# KiCad board OpenMowerMainboard.kicad_pcb (continued)
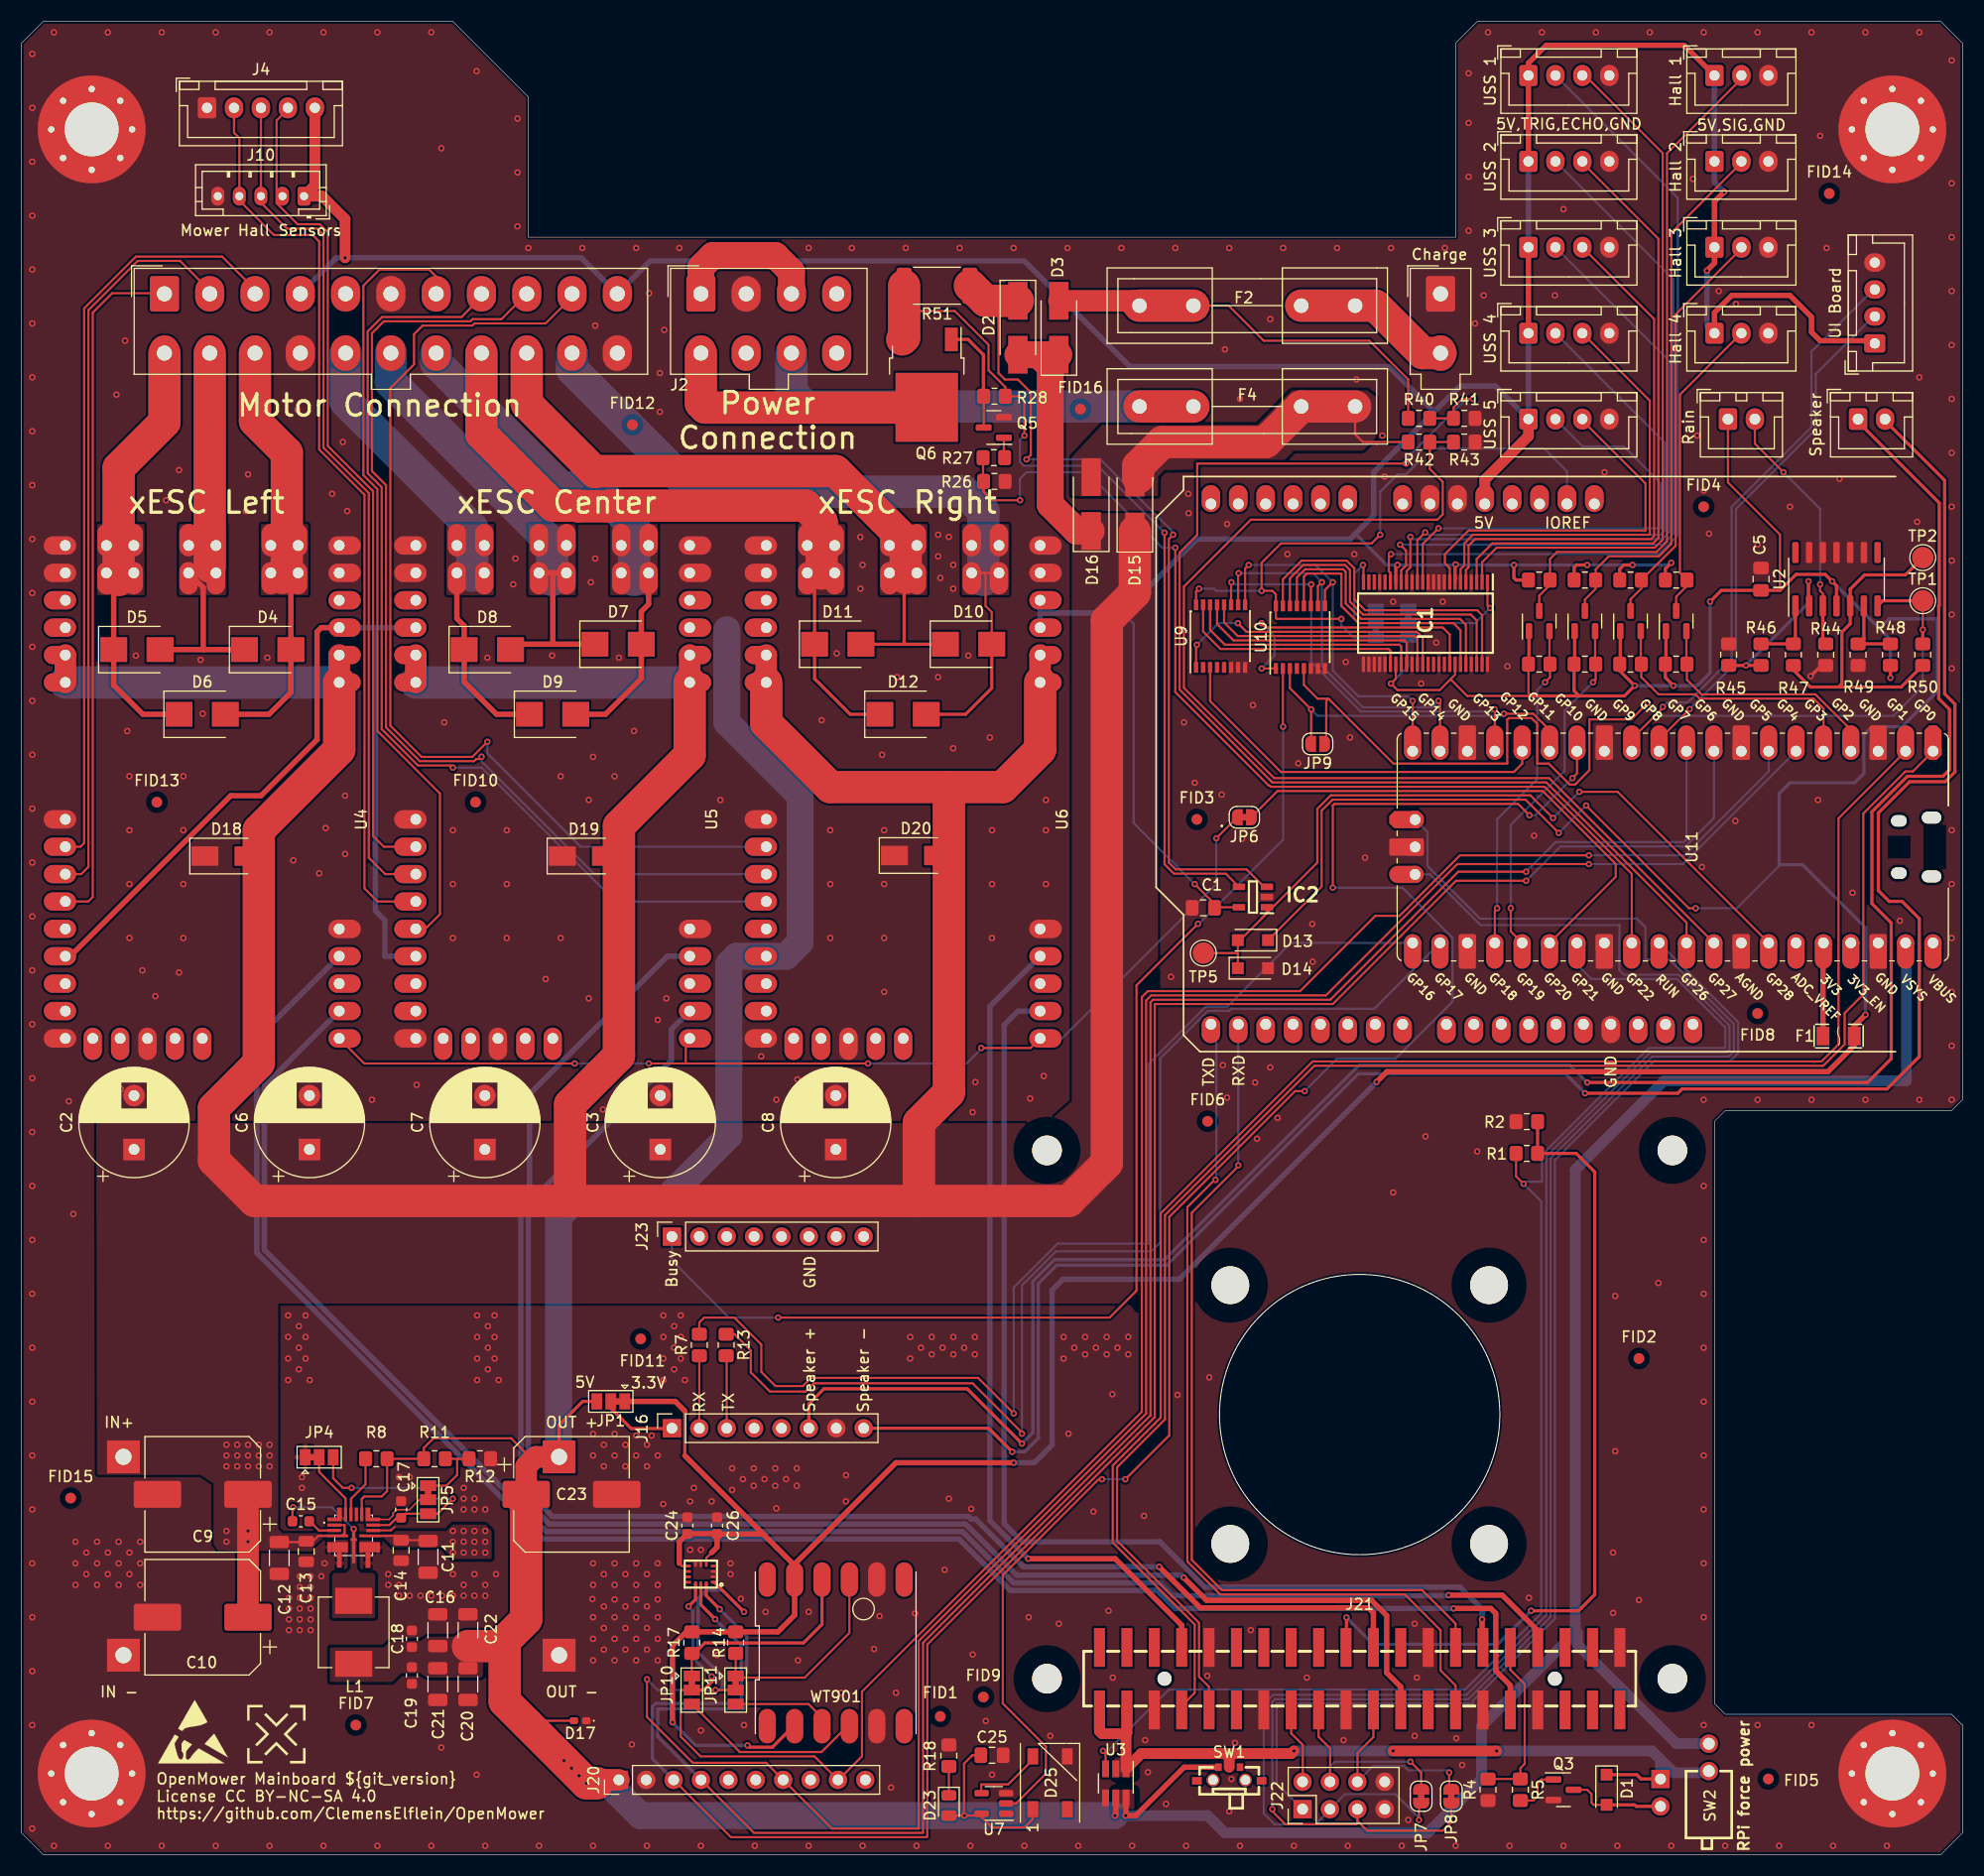
[diagram p0: board, top side]
## Routing (per net, layer and track width the routed paths; a pad name or vN(x,y) marks a point on that pad's centre or on a via; arc(x,y) is an arc through that point) (continued)
/CHARGE_CURRENT: length 72.3
  Top w0.2: IC2.1 115.5,87.3 113,84.8 ; 114.95,86.78 120.17,92 120.17,96.99 121.42,98.23 139.93,98.23 v1(142.03,96.13) ; v1(144.47,98.56) 148.02,98.56 162.03,84.55 ; 112.8,83.6 D13.2 ; 112.8,83.6 D14.1 ; 112.8,83.6 TP5.1
  Bottom w0.2: v1(144.47,98.56) v1(142.03,96.13)
/ESCs/ESC_SHUTDOWN: length 47.5
  Top w0.2: JP6.1 116.48,98.63 141.08,98.63 147.84,91.87 147.84,90.67 141.72,84.55
/ESCs/MC_HALL_U: length 84.8
  Top w0.2: J4.2 19.7,159.7 20.2,159.2 20.2,153.4 23.4,150.2 27,150.2 27.6,149.6 27.6,130.31 31.8,126.1 31.8,89.6 33.02,88.39 U5.4
/ESCs/MC_HALL_V: length 80.3
  Top w0.2: J4.3 22.2,153.2 24.6,150.8 27.4,150.8 28,150.2 28,130.47 32.2,126.27 32.2,92.45 33.73,90.92 U5.5
/ESCs/MC_HALL_W: length 77.1
  Top w0.2: U5.6 33.6,93.47 32.6,94.46 32.6,126.43 28.4,130.64 28.4,150.47 27.67,151.2 25.6,151.2 23.65,153.15 23.65,160.82 24.7,161.88
/ESCs/MC_PHASE_U: length 48
  Top w0.5: D9.2 54.15,105.75 57.47,109.08 D7.2 57.47,115.28 58.15,115.95 U5.U
  Bottom w3: J1.18 38.45,138.35 50,126.8 53.2,126.8 56.8,123.2 56.8,118.2
/ESCs/MC_PHASE_V: length 43.8
  Top w0.5: 49.27,118.86 49.27,112.33 49.35,112.25 ; 49.27,118.86 U5.V ; 49.27,118.86 U5.V ; D7.1 49.35,112.25 ; 49.35,112.25 45.84,112.25
  Bottom w3: 49.2,118.2 49.2,121.6 34.25,136.55 J1.17
/ESCs/MC_PHASE_W: length 43.2
  Top w0.5: U5.W 40.37,114.63 41.05,113.95 D8.1 41.05,108.75 44.05,105.75 D9.1
  Bottom w3: J1.16 30.05,134.75 41.8,123 41.8,118.6
/ESCs/MC_RX: length 151.5
  Top w0.5: 127.91,13.78 127.91,15.55 126.6,16.86 126.6,22.16 125.2,23.57 109.9,23.57 v1(107.78,25.68)
  Bottom w0.5: U5.14 59.9,83.31 47.1,70.51 47.1,61.48 46.3,60.68 46.3,33.29 47.1,32.49 48.94,30.65 87.53,30.65 87.78,30.4 87.8,30.4 92.31,25.89 107.58,25.89 v1(107.78,25.68)
/ESCs/MC_TEMP: length 72.4
  Top w0.2: J1.7 38.45,146.35 37.8,147 33.2,147 31.7,145.5 31.7,127.94 33,126.64 33,104.2 38.8,98.4 38.8,87.2 37.45,85.84
/ESCs/MC_TX: length 136.4
  Top w0.5: 125.37,19.82 125.37,22.41 124.91,22.87 109.32,22.87 v1(105.51,26.68)
  Bottom w0.5: U5.12 60.26,76.53 60.26,73.66 47,60.39 47,33.58 49.23,31.35 87.82,31.35 88.07,31.1 88.49,31.1 92.91,26.68 v1(105.51,26.68)
/ESCs/ML_HALL_U: length 64.3
  Top w0.2: 13.2,144.8 8.4,144.8 6.6,143 6.6,88.8 6.18,88.39 U4.4
/ESCs/ML_HALL_V: length 68.3
  Top w0.2: 17.45,145.05 14.7,147.8 10.77,147.8 6.2,143.23 6.2,91.6 5.52,90.92 U4.5
/ESCs/ML_HALL_W: length 70.6
  Top w0.2: 21.65,145.15 18.6,148.2 10.6,148.2 5.8,143.4 5.8,93.8 5.46,93.47 U4.6
/ESCs/ML_PHASE_U: length 40.5
  Top w0.5: D6.2 22.95,105.75 24.98,107.78 D4.2 24.98,118.19 U4.U
  Top w3: J1.14 21.65,132.95 24.6,130 24.6,118.8 24.2,118.4
/ESCs/ML_PHASE_V: length 35.3
  Top w0.5: 16.85,111.75 16.85,117.5 U4.V ; 16.85,111.75 D5.2 ; 16.85,111.75 D4.1
  Top w3: J1.13 17.45,119.44
/ESCs/ML_PHASE_W: length 40.7
  Top w0.5: U4.W 8.55,118.19 D5.1 8.55,108.45 11.25,105.75 D6.1
  Top w3: 9,118.2 9,128.6 13.25,132.85 J1.12
/ESCs/ML_RX: length 168.6
  Top w0.5: v1(132.81,22.82) 136.26,22.82 136.72,22.36 136.72,17.03 138.07,15.67 138.07,13.78
  Bottom w0.5: U4.14 21.82,75.67 21.82,55.79 48.36,29.25 86.95,29.25 91.71,24.49 105.31,24.49 106.98,22.82 v1(132.81,22.82)
/ESCs/ML_TX: length 158.7
  Top w0.5: 140.61,19.82 140.61,20.75 137.31,24.05 v1(132.35,24.05)
  Bottom w0.5: U4.12 22.52,71.28 22.52,56.08 48.65,29.95 87.24,29.95 87.49,29.7 87.5,29.7 92.01,25.19 105.6,25.19 106.79,24 132.3,24 v1(132.35,24.05)
/ESCs/MR_HALL_U: length 91.6
  Top w0.2: v1(40,100.8) 39.8,101 36.76,101 33.4,104.36 33.4,126.8 32.1,128.1 32.1,141.26 33.43,142.6 40.8,142.6 42.65,144.45
  Bottom w0.2: v1(40,100.8) 42.67,100.8 55.09,88.39 U6.4
/ESCs/MR_HALL_V: length 94.5
  Top w0.2: v1(42.66,101.81) 42.45,101.6 42.17,101.6 41.97,101.4 36.93,101.4 33.8,104.53 33.8,127 32.5,128.3 32.5,141.1 33.6,142.2 41.64,142.2 41.83,142.4 44.5,142.4 J1.9
  Bottom w0.2: U6.5 53.11,90.92 42.66,101.37 v1(42.66,101.81)
/ESCs/MR_HALL_W: length 94.6
  Top w0.2: v1(43.2,103.2) 41.8,101.8 37.09,101.8 34.2,104.69 34.2,136 36.4,138.2 36.4,141 37.2,141.8 41.8,141.8 42,142 48.6,142 51.05,144.45
  Bottom w0.2: U6.6 51.86,93.47 43.2,102.12 v1(43.2,103.2)
/ESCs/MR_PHASE_U: length 73.3
  Top w0.2: D10.2 89.97,115.22 89.4,115.8 89.4,118.8 89.33,118.86 U6.U U6.U
  Top w0.3: D12.2 87.55,105.75 89.97,108.17 D10.2
  Bottom w3: 89.2,118.2 89.2,124.6 87.4,126.4 62.4,126.4 51.05,137.75 J1.21
/ESCs/MR_PHASE_V: length 62.6
  Top w0.3: 81.85,112.25 81.85,118.25 82,118.4 ; 81.85,112.25 D10.1 ; 81.85,112.25 D11.2
  Top w3: 82,118.4 82,121.8 75.5,128.3 53.23,128.3 53.16,128.24 46.85,134.55 J1.20
/ESCs/MR_PHASE_W: length 63.8
  Top w0.3: 73.55,118.19 D11.1 73.55,109.06 76.85,105.75 D12.1
  Top w3: J1.19 42.65,131.75 49.3,125.1 51.59,125.1 51.65,125.04 54.49,125.04 54.55,125.1 72.7,125.1 74.2,123.6 74.2,118.8
/ESCs/MR_RX: length 77.5
  Top w0.5: v1(93.37,27.43) 101.42,27.43 107.59,21.26 107.59,19.82
  Bottom w0.5: v1(93.37,27.43) 93.34,27.43 89.8,30.97 89.8,78.64 U6.14
/ESCs/MR_TX: length 100.3
  Top w0.5: v1(135.45,21.8) 135.45,20.15
  Bottom w0.5: U6.12 92.42,78.22 91.12,76.92 91.12,30.68 92.8,29 105.57,29 109.77,24.8 133.4,24.8 135.45,22.75 135.45,21.85
/GPS/RXD: length 81
  Top w0.2: 132.99,18.82 132.99,21.41 129.88,24.52 111.33,24.52 108.52,27.32 108.52,59.51 112.84,63.83 v1(112.84,63.91)
  Bottom w0.2: XA1.D1 112.84,63.92 v1(112.84,63.91)
/GPS/TXD: length 84.2
  Top w0.2: 132.99,13.78 132.99,15.67 131.6,17.06 131.6,20.8 128.28,24.12 111.16,24.12 108.12,27.16 108.12,60.04 110.64,62.56 v1(110.73,62.56)
  Bottom w0.2: v1(110.73,62.56) 110.81,62.65 110.81,76.49
/IMU/MISO: length 216.3
  Top w0.2: v1(145.35,91.85) 133.15,91.85 120.97,79.67 104.76,79.67 104.3,79.21 104.3,40.89 83.2,19.8 83.2,2.4 75.15,2.4 J20.7 69.05,8.5 62.25,8.5 58,12.75 v1(58,16.25) ; JP11.2 v1(64.36,15.25)
  Top w0.3: v1(67,22.5) 64.25,25.25 AC1201.1
  Bottom w0.2: v1(64.36,15.25) 59,15.25 v1(58,16.25) ; U11.6 154.09,91.85 v1(145.35,91.85)
  Bottom w0.3: v1(67,22.5) 65,24.5 63.5,24.5 62.75,23.75 62.75,18.75 65,16.5 65,15.5 64.75,15.25 v1(64.36,15.25)
/IMU/MOSI: length 202
  Top w0.2: J20.4 67.93,2 83.6,2 83.6,19.63 104.7,40.73 104.7,79.04 104.93,79.27 121.37,79.27 133.24,91.15 v1(139.53,91.15)
  Top w0.3: v1(64.75,22.75) 63.5,24 AC1201.14
  Bottom w0.2: v1(139.53,91.15) 142.28,93.89 154.15,93.89 154.41,94.16 154.41,102.33
  Bottom w0.3: J20.4 59,10.93 59,13.5 66.96,13.5 67.25,13.79 67.25,20.25 v1(64.75,22.75)
/IMU/SCK: length 205.5
  Top w0.2: J20.3 65.79,1.6 83.93,1.6 84,1.67 84,19.47 105.09,40.56 105.09,78.88 121.6,78.88 133.03,90.31 v1(139.54,90.31)
  Top w0.3: AC1201.13 63,23.15 v1(64.32,21.82)
  Bottom w0.2: 156.96,102.33 156.96,96.13 154.32,93.5 142.73,93.5 v1(139.54,90.31)
  Bottom w0.3: v1(64.32,21.82) 66.75,19.4 66.75,14 58.79,14 58.5,13.71 58.5,8.89 J20.3
/IMU/~{CS}: length 186.9
  Top w0.2: J20.9 73.53,9.1 62.96,9.1 61.13,10.93 61.13,13.17 ; 61.11,13.15 61.11,15.15 61.21,15.25 JP10.2 ; v1(145.35,92.67) 133.4,92.67 127.79,87.06 125.55,87.06 118.57,80.07 104.46,80.07 103.9,79.51 103.9,41.06 77.94,15.11 77.94,9.1 75.76,6.92
  Top w0.3: v1(61.85,23) 62.5,23.65 AC1201.12 ; JP10.2 63.25,15.25 64,16 v1(64,16.5)
  Bottom w0.2: v1(145.35,92.67) 154.24,92.67 162.03,100.45 U11.7
  Bottom w0.3: v1(61.85,23) 62.25,22.6 62.25,18.25 v1(64,16.5)
/pico/MUX_ADDRESS_0: length 41.7
  Top w0.2: U10.11 119.57,117.78 v1(119.6,117.8) ; 136.63,102.33 136.63,106.18 v1(136.6,106.22) ; v1(112.2,118) 112.18,117.97 112.18,115.9
  Bottom w0.2: v1(112.2,118) 112.4,117.8 v1(119.6,117.8) 119.6,110.6 124.2,106 136.39,106 v1(136.6,106.22)
/pico/MUX_ADDRESS_1: length 38.5
  Top w0.2: U9.10 112.82,118.79 v1(112.88,118.84) ; U10.10 120.22,117.62 v1(120.6,118) ; v1(131.4,107) 131.56,106.85 131.56,102.33
  Bottom w0.2: v1(131.4,107) 130.8,106.4 124.4,106.4 120.6,110.2 v1(120.6,118) 119.76,118.84 v1(112.88,118.84)
/pico/MUX_ADDRESS_2: length 36.2
  Top w0.2: v1(121.6,118) 120.88,117.28 U10.9 ; v1(129,107) 129.01,106.99 129.01,102.33 ; v1(113.8,119.6) 113.47,119.28 U9.9
  Bottom w0.2: v1(129,107) 128.59,107.41 123.99,107.41 121.6,109.8 v1(121.6,118) 120,119.6 v1(113.8,119.6)
/pico/MUX_INPUT: length 30.8
  Top w0.2: 141.72,104.28 140.2,105.8 v1(137.48,105.8) ; U10.3 117.62,108.17 v1(119.6,106.2) 119.6,103.05
  Bottom w0.2: v1(119.6,106.2) 120.2,105.6 137.28,105.6 v1(137.48,105.8)
/pico/MUX_OUTPUT: length 36.3
  Top w0.2: 139.18,102.33 139.18,101.17 138.4,100.4 116.8,100.4 110.22,106.97 U9.3
/pico/SOUND_BUSY: length 111.9
  Top w0.2: v1(70.17,49.79) 100.9,49.79 103.4,52.29 103.4,80.61 v1(109.1,86.31) ; v1(117,104.6) 116.97,104.62 U10.2
  Bottom w0.2: v1(117,104.6) 117,94.13 109.18,86.31 v1(109.1,86.31) ; v1(70.17,49.79) 65.6,49.79 60.31,55.08 J23.1
/pico/SOUND_RX: length 108.8
  Top w0.2: R13.1 66.12,48.25 67.63,46.74 67.63,44.71 69.41,42.93 72.71,42.93 73.47,43.7 88.2,43.7 92.78,39.12 v1(92.78,39.03)
  Bottom w0.2: v1(92.78,39.03) 92.78,52.78 95.93,55.94 104.76,55.94 105.6,56.77 105.6,73.83 110.01,78.24 111.98,78.24 112.19,78.45 125.46,78.45 131.56,84.55
/pico/SOUND_TX: length 107.9
  Top w0.2: v1(92.01,40.9) 88.71,44.2 73.22,44.2 72.46,43.44 69.92,43.44 68.6,44.76 68.6,47.3 66.11,49.79 63.31,49.79 62.85,49.33 R7.2
  Bottom w0.2: 129.01,84.55 117.72,84.55 111.82,78.64 109.84,78.64 104.51,73.31 104.51,56.65 ; 104.51,56.65 96.08,56.65 92.01,52.59 v1(92.01,40.9)
/pico/V_CHARGE: length 113.1
  Top w0.2: R40.1 R41.2 132.8,134.2 133.6,135 v1(134.6,135) ; 154.41,84.55 154.41,86.42 141.41,99.43 116,99.43 115.88,99.56 107.4,108.04 107.4,120.75 109.04,122.39 109.04,129 v1(128.4,129)
  Bottom w0.2: v1(134.6,135) 133.95,135 128.4,129.45 v1(128.4,129)
/pico/V_IN: length 104.5
  Top w0.2: R43.2 R42.1 130.6,128.5 131.8,127.3 131.8,124.3 131.3,123.8 114,123.8 107.8,117.6 107.8,108.2 116.17,99.83 141.67,99.83 156.96,84.55
/RAIN_DETECTED: length 96.1
  Top w0.2: 121,103.15 121,107 121.2,107.2 ; v1(150.81,106.8) 149.29,105.27 145.4,105.27 145.4,100.56 144.08,99.23 143.58,99.23 141.64,101.18 140.57,101.18 140.57,104.87 140.03,105.4 137.93,105.4 137.78,105.26 137.78,101.18 127.22,101.18 121.2,107.2 ; 121.2,107.2 120.2,107.2 118.93,108.47 U10.5 ; v1(176.32,113.6) TP1.1
  Top w0.3: U2.7 172.6,116.28 TP1.1 ; R50.2 v1(176.32,113.6)
  Bottom w0.2: v1(176.32,113.6) 176.32,108.32 173.6,105.6 152.01,105.6 v1(150.81,106.8)
/RaspberryPi/PICO_RESET: length 116.9
  Bottom w0.2: 151.88,84.53 159.2,77.2 159.2,74.33 158.47,73.6 151.4,73.6 142.2,64.4 142.2,21.86 134.6,14.26 134.6,14 116.4,14 116.4,6.58 118.82,4.16
/RaspberryPi/PICO_SWCLK: length 168.4
  Top w0.2: J22.5 123.88,3.12 124.8,2.2 131.8,2.2 132.6,3 132.6,4.8 ; 123.9,4.16 123.9,2.9 123.8,2.8 117.2,2.8 116,4 v1(116,4.2)
  Bottom w0.2: 129.25,95.97 130.39,94.83 130.39,91.68 135.27,86.8 149.8,86.8 150.6,86 150.6,83 152.84,83 158.8,77.04 158.8,74.49 158.3,74 151.23,74 141.8,64.56 141.8,22.03 134.2,14.43 134.2,14.4 116.23,14.4 116,14.17 v1(116,4.2)
/RaspberryPi/PICO_SWDIO: length 161.5
  Top w0.2: v1(129.6,3.2) 129.6,4.55
  Bottom w0.2: v1(129.6,3.2) 129.6,3.4 127.41,5.59 122.73,5.59 J22.3 ; 121.36,4.16 120,2.8 116.2,2.8 115.2,3.8 115.2,13.93 116.07,14.8 134.01,14.8 141.4,22.19 141.4,64.73 151.07,74.4 158.14,74.4 158.4,74.66 158.4,76.87 153.67,81.6 148.6,81.6 148.19,82.01 148.19,85.02 148.2,85.04 148.2,86.2 135.31,86.2 130.61,90.89 129.25,90.89
/RaspberryPi/POWER_EN: length 136.7
  Top w0.2: U3.3 100.53,9.37 v1(100.29,9.61) ; v1(139.3,62.2) 138.6,62.9 R1.1
  Bottom w0.2: v1(100.29,9.61) 100.74,9.61 106.43,15.3 133.87,15.3 140.93,22.36 140.93,60.57 v1(139.3,62.2) 139.5,62.4 141,62.4 141,64.89 150.9,74.8 157.97,74.8 158,74.83 158,76.71 153.51,81.2 145.6,81.2 144.25,82.55 144.25,84.55
/RaspberryPi/RASPI_FAN_ON: length 15.5
  Top w0.2: 138.07,18.82 138.07,17.13 139.4,15.8 139.4,8.4 139,8 R5.1 R4.2
/RaspberryPi/RASPI_POWER: length 75.3
  Top w0.2: 149.8,7.4 150,7.2
  Top w0.3: 150.2,7 149.8,7.4 D1.1 ; 150.2,7 M1.1 ; 150.2,7 150,7.2
  Top w1: 111.64,9.36 103.85,9.36 U3.1 102.43,11.23 102.51,11.31 ; 111.64,9.36 117.76,9.36 v1(118,9.6) ; 111.64,9.36 112,9 SW1.C ; 102.51,13.78 102.51,11.31 ; 102.51,11.31 102.4,11.2 100.2,11.2 99.97,11.43 99.97,13.78 ; v1(136.8,9.6) v1(127.2,9.6)
  Bottom w1: 156.33,7.58 153.22,7.58 152,8.8 ; 152,8.8 151.2,9.6 v1(136.8,9.6) ; 152,8.8 M1.1 ; v1(127.2,9.6) v1(118,9.6)
/RaspberryPi/UART0_RXD: length 150.5
  Top w0.2: 177.28,102.33 175.4,100.45 174.71,100.45 170.8,96.55 170.8,79.76 169.07,78.03 169.07,75.13 167.09,73.15 119.9,73.15 106.04,59.29 106.04,40.35 101.6,35.91 101.6,29.09 109.2,21.49 109.2,16.48 110.13,15.55 110.13,14.78
/RaspberryPi/UART0_TXD: length 150.3
  Top w0.2: 174.74,102.33 168.51,96.1 168.51,75.13 166.93,73.55 119.73,73.55 105.64,59.46 105.64,40.52 101.2,36.08 101.2,28.92 108.8,21.32 108.8,16.31 108.8,14.99 107.59,13.78
/RobotConnectors/CHARGE_SHUNT_MINUS: length 82
  Top w0.2: IC2.4 111.68,90.97 106.87,90.97 106,91.84 v1(106,122.6) ; v1(93,131.6) 93,134.8 92.55,135.25 R28.1 91.23,136.11 89.68,137.66 89.68,140.02 86.55,143.15 81.85,143.15
  Top w3: R51.2 81.85,140.7 Q6.3
  Bottom w0.2: v1(93,131.6) 92.6,131.2 92.6,129.15 92.95,128.8 99.8,128.8 v1(106,122.6)
/RobotConnectors/CHARGE_SHUNT_PLUS: length 80
  Top w0.2: v1(106.8,122.4) 106.4,122 106.4,92 107.03,91.37 113.61,91.37 115.22,89.75 ; 89.95,145.05 90.6,144.4 90.6,137.4 91.2,136.8 92.4,136.8 93.6,135.6 93.6,129.8 v1(93.2,129.4)
  Top w3: D2.1 89.4,144.1 88,145.5 R51.1
  Bottom w0.2: v1(106.8,122.4) 106.8,122.65 100.05,129.4 v1(93.2,129.4)
/RobotConnectors/ENABLE_CHARGE: length 95.5
  Top w0.2: 149.34,84.55 149.34,90.94 141.24,99.03 115.84,99.03 115.71,99.16 115.64,99.16 107,107.8 v1(107,121.2) ; R27.1 89.17,127.4 ; R26.1 89.22,126.38 90,125.6 v1(92.6,125.6)
  Bottom w0.2: v1(107,121.2) 105.8,121.2 98.8,128.2 93.2,128.2 92.6,127.6 v1(92.6,125.6)
/RobotConnectors/HALL_SWITCH_1: length 31
  Top w0.2: Q13.2 141.7,110.45 ; v1(141.29,108.72) 141.75,109.18 R3.2 ; 136.63,84.55 136.63,87.56 v1(136.84,87.77)
  Bottom w0.2: v1(136.84,87.77) 136.84,96.02 140.57,99.74 140.57,108 v1(141.29,108.72)
/RobotConnectors/HALL_SWITCH_1_5V: length 62.1
  Top w0.2: 159.5,164.69 152.6,157.79 152.6,121.78 151.63,120.8 142.4,120.8 141.75,120.15 R6.2 ; 141.75,117.75 140.75,116.75 Q13.3
/RobotConnectors/HALL_SWITCH_2: length 32.6
  Top w0.2: v1(138.12,87.77) 138.12,85.61 139.18,84.55 ; R9.2 145.98,108.97 v1(145.74,108.72) ; Q14.2 145.93,110.45
  Bottom w0.2: v1(145.74,108.72) 143.11,106.09 143.11,100.5 138.12,95.51 v1(138.12,87.77)
/RobotConnectors/HALL_SWITCH_2_5V: length 50.3
  Top w0.2: 159.5,156.91 153,150.41 153,121.56 151.85,120.4 147.2,120.4 145.98,119.18 R10.2 145.98,117.38 144.98,116.38 Q14.3
/RobotConnectors/HALL_SWITCH_3: length 26.3
  Top w0.2: R15.2 150.22,109.2 151.81,107.6 155.24,107.6 155.64,107.2 166.2,107.2 167.12,106.28 167.12,102.33 ; Q15.2 150.17,110.45
/RobotConnectors/HALL_SWITCH_3_5V: length 37.9
  Top w0.2: 159.5,148.94 153.4,142.84 153.4,121.38 R16.2 150.22,117.42 149.22,116.42 Q15.3
/RobotConnectors/HALL_SWITCH_4: length 21.6
  Top w0.2: R19.2 154.45,108.95 155.8,107.6 166.37,107.6 169.66,104.31 ; Q16.2 154.4,110.45
/RobotConnectors/HALL_SWITCH_4_5V: length 28.3
  Top w0.2: Q16.3 153.45,116.65 154.45,117.65 ; J14.2 153.8,135.4 153.8,118.85 R20.2
/RobotConnectors/LED_RX: length 47.5
  Top w0.2: 151.87,103.4 v1(154.7,106.23)
  Bottom w0.2: 171.75,142.65 166.4,137.3 166.4,132.2 159,124.8 159,110.53 v1(154.7,106.23)
/RobotConnectors/LED_TX: length 52.1
  Top w0.2: v1(152.21,106.43) 152.21,106.34 149.33,103.46
  Bottom w0.2: 171.75,145.15 166,139.4 166,132.4 158.6,125 158.6,110.93 154.5,106.83 152.61,106.83 v1(152.21,106.43)
/RobotConnectors/MosfetSwitch/VOUT: length 25.7
  Top w3: J2.5 63,134.6 63.4,134.2 83.93,134.2
/RobotConnectors/RAIN-: length 23.2
  Top w0.2: J17.2 160.75,130.85 v1(163.4,128.2) ; v1(166.8,117.8) 166.8,117.2 167.05,116.95 U2.3
  Top w0.3: U2.3 167.05,112.55
  Bottom w0.2: v1(163.4,128.2) 166.8,124.8 v1(166.8,117.8)
/RobotConnectors/SPEAKER_MINUS: length 192.7
  Top w0.3: J16.8 89.69,39.53 v1(91.87,37.35) ; 172.82,132.98 178.35,127.45 178.35,107.65 179.3,106.7 179.3,100.39 178.41,99.5 175.1,99.5 172.2,96.6 172.2,89.4 173.2,88.4 174.4,88.4 176,86.8 176,74 173,71 154,71 153.6,70.6 v1(145,70.6)
  Bottom w0.3: v1(145,70.6) 143.2,72.4 123.95,72.4 106.21,54.66 95.99,54.66 94.3,52.96 94.3,38.62 93.03,37.35 v1(91.87,37.35)
/RobotConnectors/SPEAKER_PLUS: length 197.8
  Top w0.3: v1(92.78,38.11) 87.7,43.19 74.41,43.19 73.01,41.79 73.01,39.63 ; 170.32,132.88 177.85,125.35 177.85,115.85 177.8,115.8 177.8,107.2 178.8,106.2 178.8,100.6 178.2,100 174.89,100 171.6,96.71 171.6,88.2 173.39,86.41 173.39,73.81 171.19,71.6 v1(145.2,71.6)
  Bottom w0.3: v1(92.78,38.11) 93.79,39.12 93.79,53.16 95.79,55.16 106,55.16 124.03,73.19 143.61,73.19 v1(145.2,71.6)
/RobotConnectors/USS_1_ECHO: length 30
  Top w0.2: U10.15 116.97,118.27 118.7,120 122.9,120 123.6,119.3 123.6,116.4 124.6,115.4 135,115.4 135.45,114.95 IC1.47
/RobotConnectors/USS_1_ECHO_5V: length 65.5
  Top w0.2: IC1.2 135.45,119.85 136.8,121.2 151.46,121.2 152.2,121.94 152.2,157.8 145,165
/RobotConnectors/USS_1_TRIGGER: length 21.8
  Top w0.2: U9.15 109.57,113.42 111.2,111.8 126.8,111.8 126.95,111.65 IC1.30
/RobotConnectors/USS_1_TRIGGER_5V: length 77.4
  Top w0.2: v1(127,120.6) 126.8,120.4 126.8,119.02 126.95,118.87 IC1.19
  Bottom w0.2: J5.2 153.6,153.65 153.6,122.34 151.86,120.6 v1(127,120.6)
/RobotConnectors/USS_2_ECHO: length 28.3
  Top w0.2: U10.14 117.62,118.35 118.87,119.6 122.73,119.6 123.2,119.13 123.2,116.2 124.4,115 134.4,115 134.95,114.45 IC1.46
/RobotConnectors/USS_2_ECHO_5V: length 57.5
  Top w0.2: 144.75,156.91 151.8,149.86 151.8,122.11 151.3,121.6 136.4,121.6 134.95,120.15 IC1.3
/RobotConnectors/USS_2_TRIGGER: length 22.3
  Top w0.2: U9.14 110.22,113.58 111.6,112.2 127.8,112.2 127.95,112.05 IC1.32
/RobotConnectors/USS_2_TRIGGER_5V: length 68.7
  Top w0.2: IC1.17 127.95,119.1 128.4,119.55 128.4,120.93 v1(127.85,121.48)
  Bottom w0.2: v1(127.85,121.48) 152.18,121.48 153.2,122.5 153.2,146.08 J6.2
/RobotConnectors/USS_3_ECHO: length 26.1
  Top w0.2: U10.13 118.28,118.44 119.03,119.2 122.57,119.2 122.8,118.97 122.8,116.03 124.23,114.6 133.4,114.6 133.95,114.05 IC1.44
/RobotConnectors/USS_3_ECHO_5V: length 50.6
  Top w0.2: J7.3 151.4,142.41 151.4,122.27 151.13,122 134.8,122 134.2,121.4 134.2,119.39 133.95,119.14 IC1.5
/RobotConnectors/USS_3_TRIGGER: length 22.1
  Top w0.2: U9.13 110.88,114.12 112.4,112.6 128.23,112.6 128.45,112.39 IC1.33
/RobotConnectors/USS_3_TRIGGER_5V: length 59.5
  Top w0.2: v1(128.8,122.2) 128.8,119.39 128.45,119.04 IC1.16
  Bottom w0.2: v1(128.8,122.2) 129,122 152.13,122 152.8,122.67 152.8,138.52 J7.2
/RobotConnectors/USS_4_ECHO: length 24.5
  Top w0.2: IC1.43 133.45,113.55 132.8,114.2 124,114.2 122.4,115.8 122.4,118.8 119.2,118.8 118.93,118.53 U10.12
/RobotConnectors/USS_4_ECHO_5V: length 42.5
  Top w0.2: J8.3 151,134.84 151,122.44 150.97,122.4 134.6,122.4 133.8,121.6 133.8,119.55 133.45,119.2 IC1.6
/RobotConnectors/USS_4_TRIGGER: length 22.5
  Top w0.2: IC1.35 129.45,112.75 129.2,113 112.8,113 111.53,114.28 U9.12
/RobotConnectors/USS_4_TRIGGER_5V: length 49.9
  Top w0.2: IC1.14 129.45,121.9 v1(130.18,122.62)
  Bottom w0.2: J8.2 152.4,130.95 152.4,122.83 151.97,122.4 130.4,122.4 v1(130.18,122.62)
/RobotConnectors/USS_5_ECHO: length 27.2
  Top w0.2: v1(115,114.2) 115.4,113.8 131.8,113.8 132.45,113.15 IC1.41 ; U10.1 v1(115,110)
  Bottom w0.2: v1(115,114.2) 116.2,113 116.2,111.2 v1(115,110)
/RobotConnectors/USS_5_ECHO_5V: length 34.9
  Top w0.2: 144.75,133 150.6,127.15 150.6,122.8 134.2,122.8 132,120.6 132,119.75 132.45,119.3 IC1.8
/RobotConnectors/USS_5_TRIGGER: length 26.9
  Top w0.2: 108.93,110.1 108.93,112.12 v1(109,112.2) ; IC1.36 129.95,112.85 129.4,113.4 113.6,113.4 v1(112.8,114.2)
  Bottom w0.2: v1(112.8,114.2) 111,114.2 v1(109,112.2)
/RobotConnectors/USS_5_TRIGGER_5V: length 42.6
  Top w0.2: IC1.13 129.95,121.55 v1(131.4,123)
  Bottom w0.2: v1(131.4,123) 152,123 152,127.2 148.6,130.6 144.78,130.6 J9.2
/RobotConnectors/V_BATTERY: length 31.3
  Top w0.2: F4.2 123.68,131.72 124.4,131 R42.2
  Top w3: 103.55,127.7 103.55,128.75 105.8,131 115.38,131 F4.2 F4.2
/RobotConnectors/V_CHARGE: length 44.6
  Top w0.2: F2.1 111.95,143.65 115.2,140.4 125,140.4 128.6,136.8 R40.2
  Top w2: F2.1 103.22,144.1 D3.2 ; 103.05,143.65 F2.1
  Top w3: F2.1 F2.1
V_BATT: length 442.7
  Top w0.2: IC3.1 29.96,30.55 29.96,29.81 29.7,29.55 IC3.3 27.53,29.55 27.03,29.05 ; D3.1 D2.2 ; C12.1 26.33,28.97 ; C14.1 37.62,29.15 ; 32.09,29.55 34.8,29.55
  Top w2: U6.VM U6.VM ; U5.VM U5.VM ; U4.VM U4.VM ; C9.1 v1(21,30) v1(21,29) C10.1 ; U4.VM U4.VM ; U6.VM U6.VM ; U5.VM U5.VM
  Top w2.5: 94.3,139.1 95.4,138 95.4,125.2 97.85,122.75 D16.1 ; D2.2 D3.1
  Top w3: 86,99 75,99 69.06,104.94 U6.VM ; 86,99 91,99 94.46,102.46 U6.VM ; 86,99 86,70.65 83.23,67.88 83.23,60.76 83.07,60.61 ; D15.1 103.25,117.03 100.65,114.44 100.65,64.13 97.13,60.61 83.07,60.61 ; 83.07,60.61 50.87,60.61 ; 50.87,60.61 50.87,69.55 55.4,74.09 55.4,95.4 61.96,101.96 U5.VM ; 50.87,60.61 21.61,60.61 17.85,64.37 17.85,69.25 22,73.4 22,95 29.46,102.46 U4.VM
  Bottom w3: U4.VM U4.VM ; U5.VM U5.VM
  vias: v1(19,38) v1(19,37) v1(19,36) v1(19,30) v1(19,29) v1(20,38) v1(20,37) v1(20,36) v1(21,38) v1(21,37) v1(21,36) v1(22,38) v1(22,37) v1(22,36) v1(23,38) v1(23,37) v1(23,36) v1(40,30) v1(40,29) v1(40,28) v1(41,30) v1(41,29) v1(41,28) v1(42,30) v1(42,29) v1(42,28) v1(43,30) v1(43,29) v1(43,28)
Net-(D1-A): length 9.2
  Top w0.2: Q3.3 145.2,6 145.6,5.6 145.6,4.8 145.8,4.6 D1.2
  Top w0.3: D1.2 149.6,4.6 149.74,4.46 M1.2
Net-(D23-K): length 2.7
  Top w0.2: D23.1 R18.2
Net-(D25-DIN): length 6.5
  Top w0.2: 89,5.71 89,6.5 91.5,6.5 93.78,8.78
Net-(IC1-1DIR): length 10.7
  Top w0.2: IC1.1 135.95,115.85 v1(136.2,115.6)
  Bottom w0.2: JP2.2 134.8,114.2 v1(136.2,115.6)
Net-(IC1-2DIR): length 9.1
  Top w0.2: IC1.24 124.45,119.55 v1(124.4,119.6)
  Bottom w0.2: v1(124.4,119.6) 123.6,118.8 123.6,114.6 124,114.2 JP3.2
Net-(IC3-BIAS): length 22.4
  Top w0.2: v1(40,33) 38.6,31.6 JP5.3 35.58,31.6 C17.1 34.79,31.22 34.11,30.55 IC3.11 ; JP4.3 28.9,34.9 29.8,34 v1(30.6,34)
  Bottom w0.2: v1(40,33) 38.3,33 37.3,34 v1(30.6,34)
Net-(IC3-BST): length 2.8
  Top w0.2: 26.73,30.9 27.58,30.05 IC3.2
Net-(IC3-FB_1): length 6.6
  Top w0.15: JP5.2 36.9,32.9 35.98,31.97 34.77,31.97 34.45,31.66 34.45,31.45 34.08,31.07 IC3.20 32.39,31.07 IC3.12
Net-(IC3-LX_1): length 9.7
  Top w0.2: v1(25.2,32.2) 25.12,32.12 C15.2
  Top w0.3: IC3.6 v1(30.8,30.18)
  Bottom w0.2: v1(25.2,32.2) 28.78,32.2 v1(30.8,30.18)
Net-(IC3-PGOOD): length 5.9
  Top w0.2: R8.1 31.9,34.33 30.55,32.98 IC3.15
Net-(IC3-SYNC): length 6.5
  Top w0.2: IC3.16 30.05,33.02 27.6,35.47 JP4.2
Net-(J2-Pin_1): length 14
  Top w2.5: J2.3 71.4,146.8 69.9,148.3 64.1,148.3 63,147.2 J2.1
Net-(J2-Pin_7): length 46.5
  Top w3: F4.1 F4.1
  Bottom w3: F4.1 72.7,134.3 71.4,135.6 J2.7
Net-(J3-Pin_2): length 14.7
  Top w3: F2.2 125.55,143.65 129.95,139.25 J3.2
Net-(J16-Pin_1): length 7.1
  Top w0.3: 60.29,39.5 56.53,39.5 54.65,41.39 JP1.2
Net-(J16-Pin_2): length 6.7
  Top w0.2: R7.1 J16.2
Net-(J16-Pin_3): length 6.7
  Top w0.2: 65.39,46.2 J16.3
Net-(J21-GPIO23): length 7.5
  Top w0.2: 118.82,6.7 118.82,10.16 117.75,11.23 117.75,13.78
Net-(J21-GPIO24): length 19.5
  Top w0.2: 121.36,6.7 121.36,9.84 120.29,10.91 120.29,13.78 ; v1(128.8,8.6) 129.8,7.6 JP7.2
  Bottom w0.2: J22.4 121.34,8.14 121.8,8.6 v1(128.8,8.6)
Net-(J21-GPIO25): length 18.4
  Top w0.2: 125.37,13.78 125.37,10.88 123.9,9.41 123.9,6.7 ; v1(132.4,7.6) 132.4,6.3
  Bottom w0.2: J22.6 125.34,8.2 128.2,8.2 128.6,7.8 132.2,7.8 v1(132.4,7.6)
Net-(J21-MOSI0/GPIO10): length 76.3
  Top w0.3: 122.88,19.79 v1(122.88,21.98) ; R2.2 R1.2 144.18,65.02 145.9,63.3 145.9,24.1 144.4,22.6 v1(140,22.6)
  Bottom w0.3: v1(140,22.6) 136.9,19.5 125.35,19.5 v1(122.88,21.98)
Net-(JP5-A): length 6.9
  Top w0.2: 40.5,36.7 R12.2 ; 40.5,36.7 R11.1 ; 40.5,36.7 40.4,36.6 40.4,35.2 39.4,34.2 JP5.1
Net-(JP6-B): length 98.1
  Top w0.2: 61.58,73.36 61.6,73.38 61.6,75.33 ; 32.19,73.36 v1(51.3,73.36) ; JP6.2 v1(110.8,94.25) ; U6.11 93.58,74.8 v1(89,74.8) ; 58.27,73.36 v1(78.5,73.36) ; 32.22,73.36 31.78,73.36 U4.11
  Bottom w0.2: v1(89,74.8) 89,74.72 87.65,73.36 86.73,73.36 ; v1(110.8,94.25) 110.8,90 96.48,75.69 U6.11 ; v1(58.17,73.36) v1(51.3,73.36) ; 86.73,73.36 v1(78.5,73.36)
Net-(JP10-A): length 18.4
  Top w0.2: 62.16,18.64 JP10.1
  Top w0.3: 62.39,18.65 63.36,19.62 72.51,19.62 74.23,21.34 WT901.b3
Net-(JP10-B): length 17.5
  Top w0.2: JP10.3 66.61,9.5 74.19,9.5 76.77,12.08
Net-(JP11-A): length 17.9
  Top w0.2: 66.86,16.4 72.63,16.4 76.77,20.55 WT901.b4 ; 66.23,18.64 JP11.1
Net-(JP11-B): length 8.5
  Top w0.2: JP11.3 72.98,13.95 WT901.a3
Net-(Q3-G): length 4.6
  Top w0.2: Q3.1 140.95,6.95 140.6,6.6 140.6,5.4 140.2,5 R5.2
Net-(Q5-D): length 10.3
  Top w0.2: R28.2 89.23,132.36
  Top w0.3: Q6.1 87.78,140.52 89.2,139.1 89.2,135.28
Net-(Q5-G): length 1.8
  Top w0.2: Q5.1 91.1,129.62
Net-(R46-Pad1): length 6.3
  Top w0.3: U2.1 164.51,112.47 ; R46.1 R47.1
Net-(U2A--): length 15.4
  Top w0.3: R45.2 R46.2 ; v1(165.72,118.08) 165.72,115.86
  Bottom w0.3: v1(159.92,110.28) 165.72,116.08 v1(165.72,118.08)
Net-(U2B-+): length 30.9
  Top w0.3: 168.52,108.28 165.89,108.28 164.32,109.85 ; 168.52,108.28 168.82,108.58 168.82,113.38 169.59,114.15 U2.5 169.59,117.35 170.92,118.68 174.72,118.68 TP2.1 ; 168.52,108.28 174.32,108.28 R50.1
Net-(U2B--): length 6.7
  Top w0.3: R48.1 R49.1 170.86,112.82 U2.6
Net-(U11-3V3): length 7
  Top w0.5: F1.1 167.07,82.91
Net-(U11-GPIO10): length 153.9
  Top w0.2: 144.25,102.33 144.25,100.25 v1(143.83,99.83) ; v1(100.2,34.8) 99.89,34.8 91,25.9 91,14 95,10 95,7.5 92.23,4.73 U7.2 ; v1(102.37,34.8) 106.44,38.87 106.44,59.13 118.11,70.8 v1(119,70.8) ; v1(139.84,96.38) 138.79,97.43 121.75,97.43 121.6,97.29 v1(121.6,89.67)
  Bottom w0.2: v1(139.84,96.38) 140.38,96.38 v1(143.83,99.83) ; v1(100.2,34.8) v1(102.37,34.8) ; v1(119,70.8) 122,73.8 127.41,73.8 132.7,79.09 132.7,85.02 128.06,89.67 v1(121.6,89.67)

## Copper pours and planes (outline as drawn; the poured copper is in the pictures)
+5V on Top: 103.2,4.2 101.2,4.2 101.2,6 103.2,6
+5V on Top: 42.8,20 42.8,16.6 42.6,16.4 37.6,16.4 37,16.8 35.2,16.8 34.39,16 28.6,16 28.6,19.2 33.6,19.2 34.2,19.8 37,19.8 37.6,20.2 42.6,20.2
+5V on Bottom: 97.6,112.8 1,112.8 1,117.4 5,117.4 6.4,115.8 26.6,116 28.2,117.4 37.6,117.4 39.2,116 59.6,116 60.6,117.4 70.2,117.4 71.4,116 92,116 93.4,117.4 97.6,117.4
GND on Top: 203,182 198,-22 -17,-19 -13,185
GND on Bottom: 199,188 194,-16 -21,-13 -17,191
/ESCs/MC_PHASE_U on Top, Bottom: 59,116.8 54.6,116.8 54.6,123.4 59,123.4
/ESCs/MC_PHASE_V on Top, Bottom: 51.4,116.8 47,116.8 47,123.4 51.4,123.4
/ESCs/MC_PHASE_W on Top, Bottom: 43.8,116.8 39.4,116.8 39.4,123.4 43.8,123.4
/ESCs/ML_PHASE_U on Top, Bottom: 26.6,116.8 22.2,116.8 22.2,123.4 26.6,123.4
/ESCs/ML_PHASE_V on Top, Bottom: 19,116.8 14.6,116.8 14.6,123.4 19,123.4
/ESCs/ML_PHASE_W on Top, Bottom: 11.4,116.8 7,116.8 7,123.4 11.4,123.4
/ESCs/MR_PHASE_U on Top, Bottom: 91.6,116.8 87.2,116.8 87.2,123.4 91.6,123.4
/ESCs/MR_PHASE_V on Top, Bottom: 84,116.8 79.6,116.8 79.6,123.4 84,123.4
/ESCs/MR_PHASE_W on Top, Bottom: 76.4,116.8 72,116.8 72,123.4 76.4,123.4
/RaspberryPi/RASPI_POWER on Top: 103.2,7.2 101.2,7.2 101.2,9 103.2,9
/RobotConnectors/V_BATTERY on Top: 125.6,135.2 125.6,131.4 124.4,130.2 118,130.2 116.4,128.6 106,128.4 105.4,127.8 105.4,126 97.4,126 97.4,129.6 100.2,132.6 114.6,132.6 117.8,135.8 124.8,135.8
V_BATT on Top: 105.4,124.4 105.4,47.8 103,51.1 23.8,51.1 23.8,30.2 24.2,29.8 27.8,29.8 27.9,29.7 30.3,29.7 30.3,29.4 27.99,29.4 27.06,28.53 27,28.1 18.2,28.2 17.8,28.8 17.8,34.4 16.6,35.2 7,35.2 6.92,67.83 95.06,67.83 97.4,69.86 97.4,124.4
V_BATT on Top: 43.6,27.4 40,27.4 39,28.5 34.46,28.5 33.56,29.4 31.3,29.4 31.3,29.7 34.1,29.7 34.5,30 39.4,30 40,30.6 43,30.6 43.6,30
V_BATT on Bottom: 43.57,27.37 39.97,27.37 39.2,28.2 18.2,28.2 18.2,38.6 23.8,38.6 23.8,30.8 42.97,30.57 43.57,29.97
Net-(IC3-LX_1) on Top: 31.1,26.52 31.5,26.12 32.6,26.12 32.8,25.92 32.8,21.92 28.8,21.92 28.8,25.92 29,26.12 30.1,26.12 30.5,26.52 30.5,29.32 31.1,29.32

## Text on the board
F.Silkscreen: OpenMower Mainboard ${git_version} / License CC BY-NC-SA 4.0 / https://github.com/ClemensElflein/OpenMower | Mower Hall Sensors | 5V | 3.3V | Charge | IOREF | 5V,TRIG,ECHO,GND | 5V,SIG,GND | Busy | RX | TX | Speaker + | GND | Speaker - | TXD | RXD | USS 1 | USS 2 | USS 3 | USS 4 | USS 5 | Hall 1 | Hall 2 | Hall 3 | Hall 4 | Rain | Speaker | UI Board | RPi force power | xESC Left | Motor Connection | xESC Center | Power / Connection | xESC Right
